# Altium PCB eyes_hvac_v1_pcb.PcbDoc
Units mm, origin at the board's own origin, x right, y up, seen from the top; angles counter-clockwise.
Board outline 90 x 90 mm, 2 copper layers (Top Layer, Bottom Layer); 23 components, 30 nets, 130 pads, 22 vias.
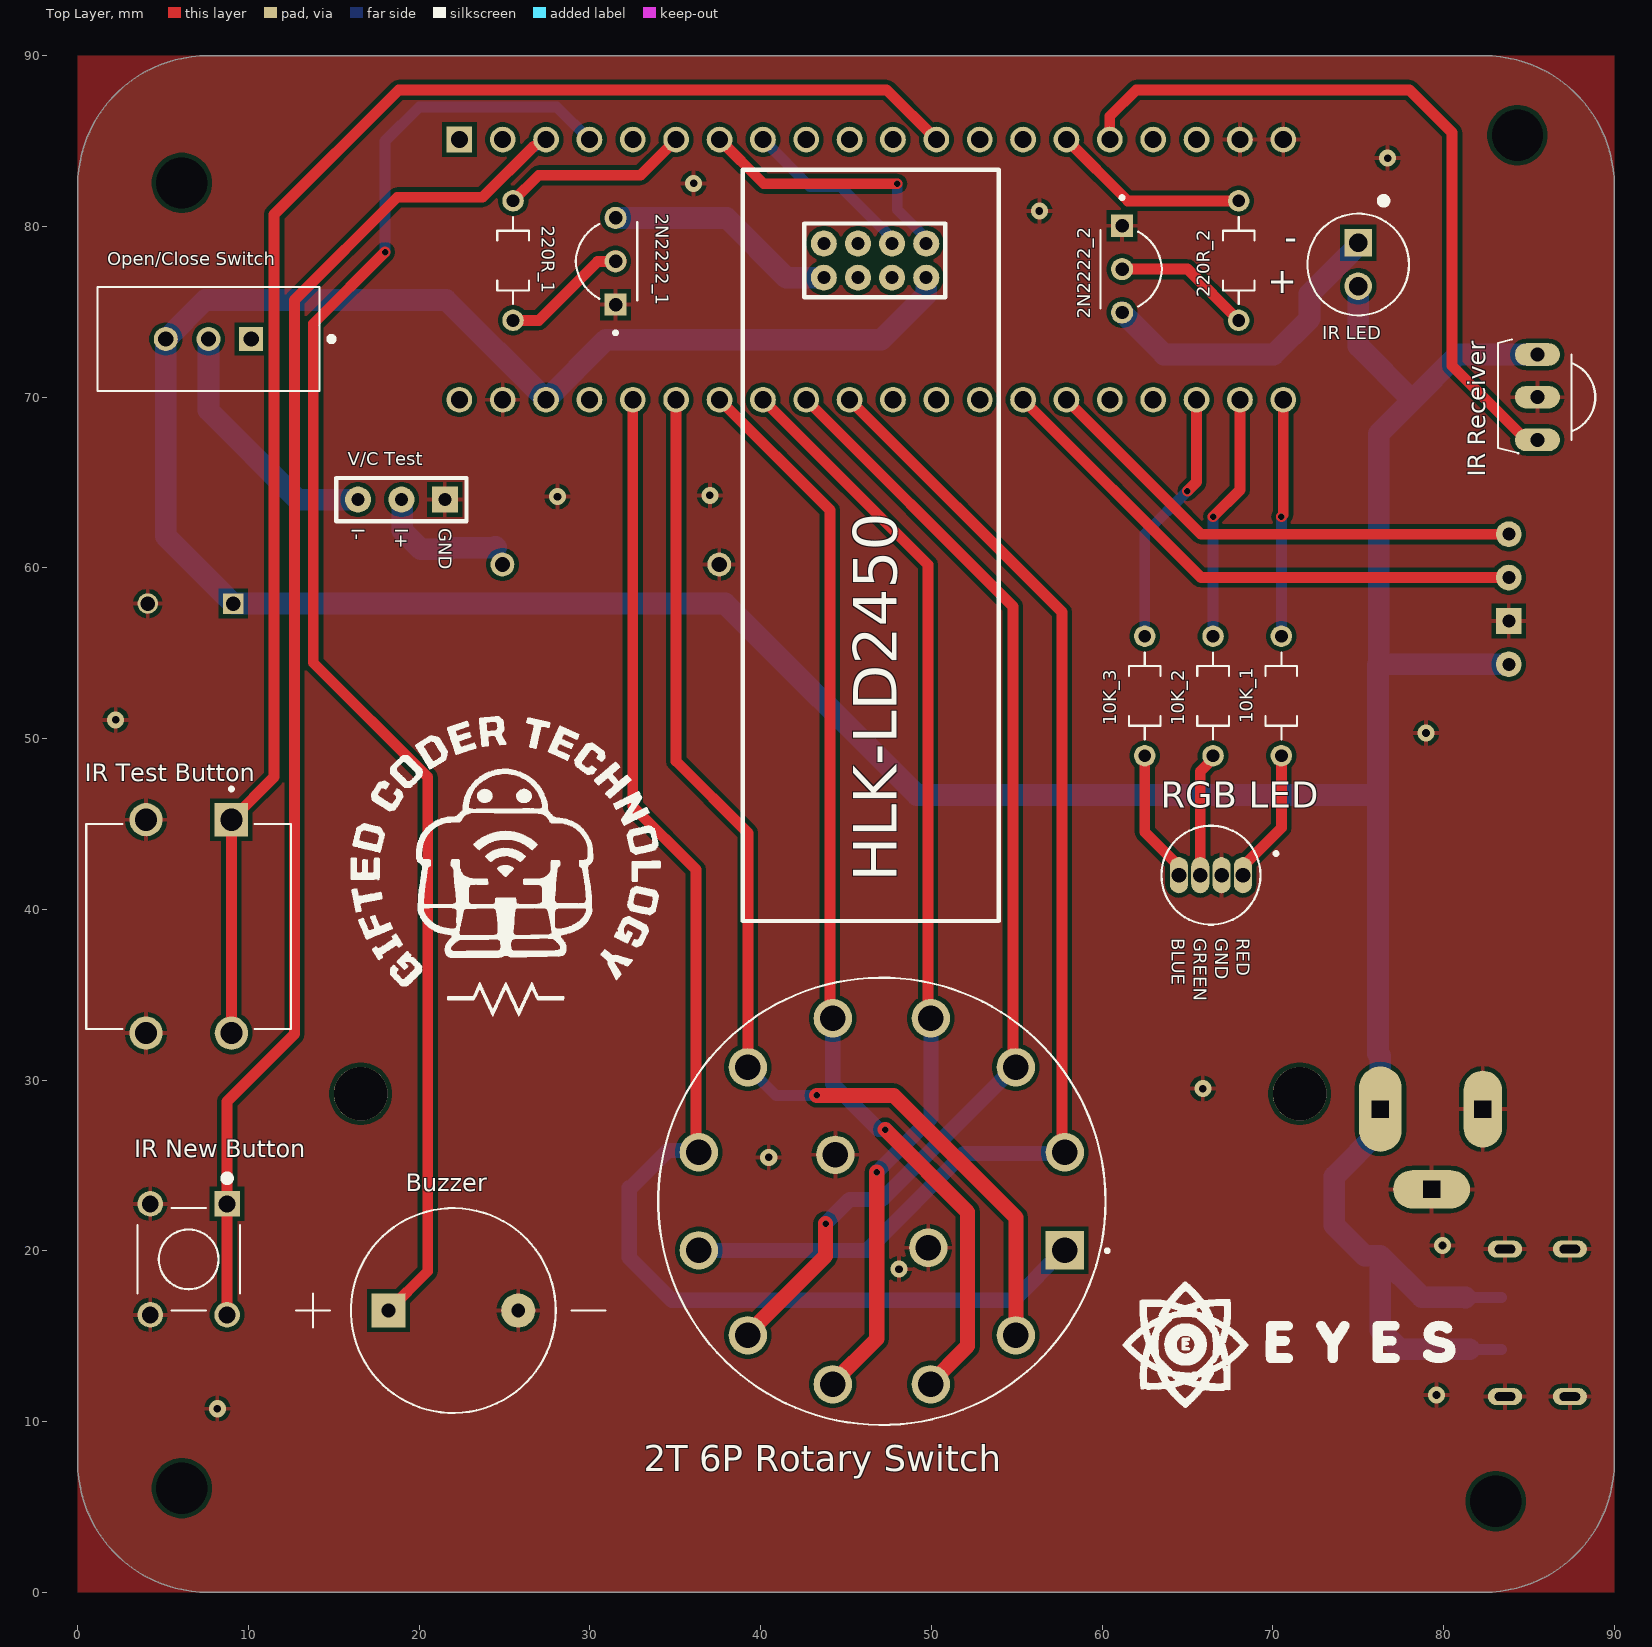
[diagram p0: Top Layer view]
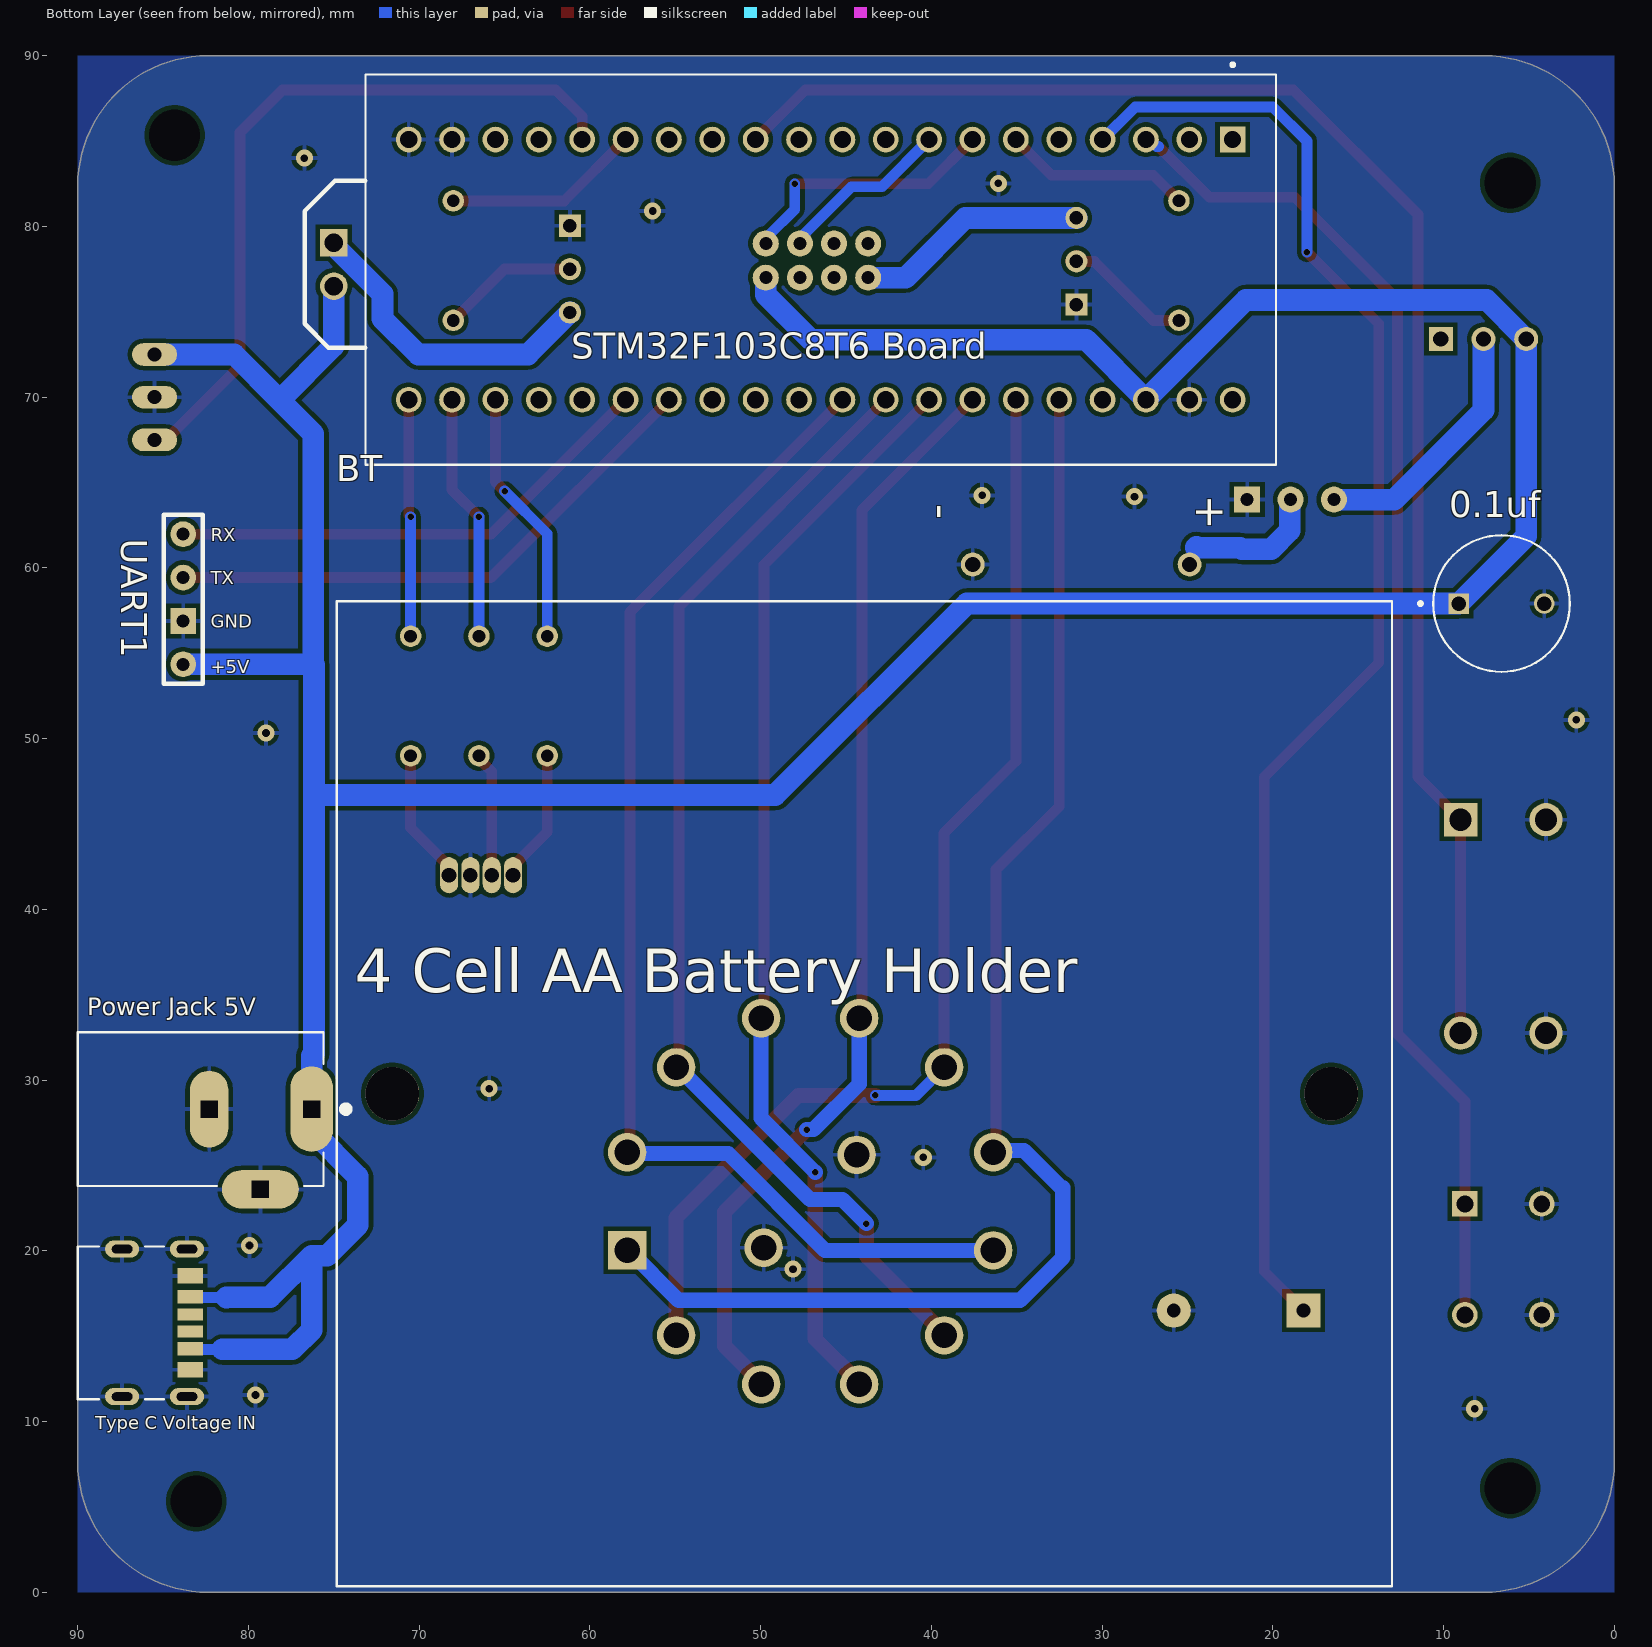
[diagram p1: Bottom Layer view, seen from below]

## Layer stack, top to bottom
Top Solder: solder mask 0.0102, Solder Resist, Dk 3.5
Top Layer: signal copper 0.0356
Dielectric 1: dielectric 0.32, FR-4, Dk 4.8
Bottom Layer: signal copper 0.0356
Bottom Solder: solder mask 0.0102, Solder Resist, Dk 3.5

## Board outline
0,7.62 0,82.38 cw(c7.62,82.38) 7.62,90 82.38,90 cw(c82.38,82.38) 90,82.38 90,7.62 cw(c82.38,7.62) 82.38,0 7.62,0 cw(c7.62,7.62)

## Design rules (kind name [scope] priority, off if disabled: settings)
Clearance Clearance_1 [All] p1: gap=0.254 ignorepadtopadclearanceinfootprint=FALSE except(0: Arc-Hole Track-Hole SMDPad-Hole THPad-Hole Via-Hole Fill-Hole Poly-Hole Region-Hole Text-Hole; 0.152: SMDPad-SMDPad THPad-THPad THPad-Via)
Clearance [All] p2: gap=0.254 ignorepadtopadclearanceinfootprint=TRUE
ComponentClearance [All] p1: gap=0.254 collisioncheckmode=3 verticalgap=2540 showdistances=TRUE
Height [All] p1: minheight=0 maxheight=101.6 prefheight=12.7
HoleSize [All] p1: absolutevalues=TRUE maxlimit=3.81 minlimit=0.025 maxpercent=80.000 minpercent=20.000
HoleToHoleClearance [All] p1: gap=0.152 allowstackedmicrovias=TRUE
MinimumSolderMaskSliver [All] p1: minsoldermaskwidth=0.003
PlaneClearance [All] p1: clearance=0.203
PlaneConnect [All] p1: planeconnectstyle=Relief reliefexpansion=0.508 reliefentries=4 reliefconductorwidth=0.381 reliefairgap=0.254
PolygonConnect [All] p1: connectstyle=Relief reliefconductorwidth=0.254 reliefentries=4 polygonreliefangle="90 Angle" airgapwidth=0.254
RoutingVias [All] p1: holewidth=0.45 width=1 viastyle="Through Hole" minholewidth=0.45 minwidth=1 maxholewidth=2.286 maxwidth=3.81
SilkToSilkClearance [All] p1: silktosilkclearance=0
SilkToSolderMaskClearance [IsPad] p1: minsilkscreentomaskgap=0.025 clearancetoexposedcopper=FALSE
SolderMaskExpansion [All] p1: expansion=0.127 istentingtop=FALSE
Width [All] p1: maxlimit=1.27 minlimit=0.254 preferedwidth=0.635 minimp=50.000000 maximp=50.000000 favimp=50.000000
21 further rules are at their usual default settings.

## Components (designator, comment, footprint, x,y, rotation, side; value= is the part's Value field where it differs from the comment)
0.1uf "0.1uf" "CAP 0.1UF" 6.604,57.912 r180 bottom
2N2222_1 "2N2222" 2N2222 29.17,77.96 r90 top
2N2222_2 "2N2222" 2N2222 63.5,77.5 r270 top
"2T 6P Rotary Switch" "2T 6P Rotary Switch" "2POL 6POS Rotary Switch" 47.1,22.9 r90 top
10K_1 "10K RES" RES 70.5,52.5 r270 top
10K_2 "10K RES" RES 66.5,52.5 r270 top
10K_3 "10K RES" RES 62.5,52.5 r270 top
220R_1 "220R RES" RES 25.5,78 r90 top
220R_2 "220R RES" RES 68,78 r90 top
BT "4 Cell AA Battery Holder" "4 CELL AA BATTERY HOLDER" 43.925,29.2 r90 bottom
Buzzer "Buzzer" Buzzer 22,16.5 r0 top
HLK-LD2450 "HLK-LD2450" HLK-LD2450 46.748,78.016 r0 top
"IR LED" "IR LED" "IR LED" 75,77.77 r270 top
"IR New Button" "IR New Button" "IR New Button" 6.5,19.5 r270 top
"IR Receiver" "IR Receiver" "IR Receiver" 85.473,70.001 r90 top
"IR Test Button" "IR Test Button" "IR Test Button" 6.5,39 r270 top
"Open/Close Switch" "Open/Close Switch" "Open/Close Switch" 7.66,73.406 r180 top
"Power Jack 5V" "Power Jack 5V" "Power Jack" 76.3,28.3 r0 bottom
"RGB LED" "RGB LED" "RGB LED" 66.375,42 r0 top
"STM32F103C8T6 Board" "STM32F103C8T6 Board" "STM32F103C8T6 Board" 46.482,77.47 r270 bottom
"Type C Voltage IN" "Type C Voltage IN" "TYPE C VOLTAGE IN" 83.6,15.78 r270 bottom
UART1 "UART Port" "UART PORT" 83.82,58.166 r90 bottom
"V/C Test" "V/C Test" "V/C TEST" 16.42,64 r0 top

## Footprints (in the part's own frame and the unit in brackets; to place one, negate y for a bottom-side part, rotate by r counter-clockwise, add the part's x,y. Pads: shape width x height; smd on the part's side, far side on the other; paste and mask are expansions set on the pad)
2N2222 [mm]
  round 1.298 hole 0.79: B(0,-2.33) C(2.54,-2.33)
  rect 1.298x1.298 / inner round 1.298 / far side rect 1.298x1.298 hole 0.79: E(-2.54,-2.33)
  silkscreen extent -4.29,-3.6 2.3,0, body extent -2.74,-3.87 2.74,0.62, height 7.76
"2POL 6POS Rotary Switch" [mm]
  rect 2.25x2.25 hole 1.5: 1(-2.873,-10.722)
  round 2.25 hole 1.5: 2(-7.849,-7.849) 3(-10.722,-2.873) 4(-10.722,2.873) 5(-7.849,7.849) 6(-2.873,10.722) 7(2.873,10.722) 8(7.849,7.849) 9(10.722,2.873) 10(10.722,-2.873) 11(7.849,-7.849) 12(2.873,-10.722) A(-2.722,-2.722) C(2.722,2.722)
  silkscreen extent -13.1,-13.3 13.1,13.1, body extent -13.03,-12.99 12.95,12.99, height 51.77
"4 CELL AA BATTERY HOLDER" [mm]
  round 1.398 hole 0.89: NEG(31,-6.35) POS(31,-19.05)
  round 3.15 hole 3.15 unplated: ""(0,-27.35) ""(0,27.65)
  silkscreen extent -28.85,-30.9 28.85,30.9, body extent -28.4,-30.52 28.4,30.78, height 15.5
Buzzer [mm]
  round 2 hole 0.8: N(3.8,0)
  rect 2x2 / inner round 2 / far side rect 2x2 hole 0.8: P(-3.8,0)
  silkscreen extent -9.22,-6 8.92,6, body extent -6,-6 6,6, height 9.5
"CAP 0.1UF" [mm]
  round 1.2 hole 0.85: N(2.5,0)
  rect 1.2x1.2 hole 0.85: P(-2.5,0)
  silkscreen extent -4.85,-4 4,4, body extent -4,-3.99 4,3.99, height 11.5
HLK-LD2450 [mil]
  round 60 hole 30: +3.3V(37.48,-40) +5V(116.22,-40) DM(-120,38.74) DP(-41.26,38.74) GND(-120,-40) PA9(-41.26,-40) RX(116.22,38.74) TX(37.48,38.74)
  silkscreen extent -307,-1524 283,209, body extent -301,-1520 289,213, height 341
"IR LED" [mm]
  round 1.61 hole 1.07: +(1.27,0)
  rect 1.61x1.61 hole 1.07: -(-1.27,0)
  silkscreen extent -3.93,-2.98 2.98,2.98, body extent -2.51,-2.95 2.92,2.95, height 9.6
"IR New Button" [mm]
  rect 1.498x1.498 / inner round 1.498 / far side rect 1.498x1.498 hole 0.99: 1(-3.25,2.25)
  round 1.498 hole 0.99: 2(-3.25,-2.25) 3(3.25,2.25) 4(3.25,-2.25)
  silkscreen extent -4.95,-3 3,3, body extent -3.95,-3 3.95,3, height 9.5
"IR Receiver" [mil]
  oval 52x104 hole 32: GND(-0.05,-1.05) OUT(-98.47,-1.05) VCC(98.38,-1.05)
  silkscreen extent -129,-134 133,90, body extent -118,-160 118,60, height 404
"IR Test Button" [mm]
  rect 1.95x1.95 / inner round 1.95 / far side rect 1.95x1.95 hole 1.3: 1(-6.25,2.5)
  round 1.95 hole 1.3: 2(6.25,2.5) 3(-6.25,-2.5) 4(6.25,-2.5)
  silkscreen extent -8.15,-6 6,6, body extent -7.05,-6 7.05,6, height 7.17
"Open/Close Switch" [mm]
  rect 1.408x1.408 / inner round 1.408 / far side rect 1.408x1.408 hole 0.9: 1(-2.5,0)
  round 1.408 hole 0.9: 2(0,0) 3(2.5,0)
  silkscreen extent -7.35,-3.05 6.5,3.05, body extent -6.5,-3.05 6.5,3.05, height 8.89
"Power Jack" [mm]
  oval 2.5x5 hole 1 square: 1(0,0)
  oval 2.25x4.5 hole 1 square: 2(6,0)
  oval 4.5x2.25 hole 1 square: 3(3,4.7)
  silkscreen extent -2.2,-4.5 13.7,4.5, body extent -0.7,-4.5 13.7,4.9, height 11
RES [mm]
  round 1.258 hole 0.75: 1(-3.5,0) 2(3.5,0)
  silkscreen extent -2.55,-0.92 2.55,0.92, body extent -3.72,-0.92 3.72,0.92, height 1.85
"RGB LED" [mm]
  oval 1.06x2.12 hole 0.86: BLUE(-1.875,0) GND(0.625,0) GREEN(-0.625,0) RED(1.875,0)
  silkscreen extent -2.9,-2.9 3.91,2.9, body extent -2.9,-2.9 2.5,2.9, height 8.7
"STM32F103C8T6 Board" [mm]
  rect 1.508x1.508 hole 1: 1(-7.62,24.13)
  round 1.508 hole 1: 2(-7.62,21.59) 3(-7.62,19.05) 4(-7.62,16.51) 5(-7.62,13.97) 6(-7.62,11.43) 7(-7.62,8.89) 8(-7.62,6.35) 9(-7.62,3.81) 10(-7.62,1.27) 11(-7.62,-1.27) 12(-7.62,-3.81) 13(-7.62,-6.35) 14(-7.62,-8.89) 15(-7.62,-11.43) 16(-7.62,-13.97) 17(-7.62,-16.51) 18(-7.62,-19.05) 19(-7.62,-21.59) 20(-7.62,-24.13) 21(7.62,-24.13) 22(7.62,-21.59) 23(7.62,-19.05) 24(7.62,-16.51) 25(7.62,-13.97) 26(7.62,-11.43) 27(7.62,-8.89) 28(7.62,-6.35) 29(7.62,-3.81) 30(7.62,-1.27) 31(7.62,1.27) 32(7.62,3.81) 33(7.62,6.35) 34(7.62,8.89) 35(7.62,11.43) 36(7.62,13.97) 37(7.62,16.51) 38(7.62,19.05) 39(7.62,21.59) 40(7.62,24.13)
  silkscreen extent -12.1,-30.23 11.43,26.67, body extent -11.44,-27.56 11.56,30.24, height 15.45
"TYPE C VOLTAGE IN" [mm]
  rect 0.7x1.5 smd: A5(-0.5,0.18) B5(0.5,0.18)
  rect 0.8x1.5 smd: A9(1.52,0.18) B9(-1.52,0.18)
  rect 0.9x1.5 smd: A12(2.75,0.18) B12(-2.75,0.18)
  oval 1x2 hole 0.5 slot 1.2 at 90 deg: S1(-4.32,0) S2(4.32,0) S3(-4.32,-3.8) S4(4.32,-3.8)
  silkscreen extent -4.47,-6.4 4.47,-1.35, body extent -4.47,-6.4 4.47,0.5, height 3.26
"UART PORT" [mil]
  rect 59.37x59.37 hole 30: GND(-50,0)
  round 59.37 hole 30: RX(50,0) TX(150,0) VCC(-150,0)
  silkscreen extent -195,-45 195,45, body extent -200,-50 200,48, height 330
"V/C TEST" [mil]
  rect 60x60 hole 30: GND(200,0)
  round 60 hole 30: VCC(100,0) VCC_2(0,0)
  silkscreen extent -50,-50 250,50

## Part data
0.1uf: "CAP ALUM 33UF 20% 100V THRU HOLE", Package="RADIAL-2 Panasonic", Availability="In Stock", Check_prices=https://www.snapeda.com/parts/EEUFS2A330B/Panasonic/view-part/5795625/?ref=eda, MF=Panasonic, MP=EEUFS2A330B, Price=None, SnapEDA_Link=https://www.snapeda.com/parts/EEUFS2A330B/Panasonic/view-part/5795625/?ref=snap
2N2222_1 2N2222_2: "Bipolar (BJT) Transistor NPN 40 V 600 mA 250MHz 625 mW Through Hole TO-92", Package="TO-92-3 Diotec", Availability="In Stock", Check_prices=https://www.snapeda.com/parts/2N2222A/Diotec/view-part/?ref=eda, MF="Diotec Semiconductor", MP=2N2222A, Price=None, Purchase-URL=https://pricing.snapeda.com/search/part/2N2222A/?ref=eda, SnapEDA_Link=https://www.snapeda.com/parts/2N2222A/Diotec/view-part/?ref=snap
"2T 6P Rotary Switch": Package=None, Availability=Unavailable, MP=KC26A30.001NPS, Price=None
10K_1 10K_2 10K_3 220R_1 220R_2: "220 Ohms Â±5% 0.25W, 1/4W Through Hole Resistor Axial - Carbon Film", Package=None, Availability="In Stock", Check_prices=https://www.snapeda.com/parts/3-1623927-1/TE+Connectivity/view-part/?ref=eda, MF="TE Connectivity", MP=3-1623927-1, Price=None, SnapEDA_Link=https://www.snapeda.com/parts/3-1623927-1/TE+Connectivity/view-part/?ref=snap
BT: "BATTERY HOLDER AA 4 CELL SMD TAB", Package=None, Availability=Warning, DigiKey-Purchase-URL=https://snapeda.com/shop?store=DigiKey&id=4389075, MF=MPD, MP=BC4AAB, Price=None, SnapEDA_Link=https://www.snapeda.com/parts/BC4AAB/MPD/view-part/4389075/?ref=snap
Buzzer: "12 mm, 12 Vdc, 85 dB, Through Hole, Driving Circuit, Magnetic Audio Indicator Buzzer", Package="CUI Inc.", Check_prices=https://www.snapeda.com/parts/CMI-1295-1285T/CUI+Devices/view-part/?ref=eda, CUI_purchase_URL=https://www.cuidevices.com/product/audio/buzzers/audio-indicators/cmi-1295-1285t?utm_source=snapeda.com&utm_medium=referral&utm_campaign=snapedaBOM, Digi-Key_Part_Number=102-CMI-1295-1285T-ND, MF="CUI Devices", MP=CMI-1295-1285T, Purchase-URL=https://pricing.snapeda.com/search/part/CMI-1295-1285T/?ref=eda, SnapEDA_Link=https://www.snapeda.com/parts/CMI-1295-1285T/CUI+Devices/view-part/?ref=snap
"IR LED": "Infrared _IR_ Emitter 940nm 1.35V 100mA 40mW/sr @ 100mA 34Â° Radial, 5mm Dia _T 1 3/4_", Package="Radial Vishay", Availability=Unavailable, MF=Vishay, MP=TSAL6200, Price=None, SnapEDA_Link=https://www.snapeda.com/parts/TSAL6200/Vishay%20Semiconductor%20Opto%20Division/view-part/1186623/?ref=snap
"IR New Button": "Tactile Switch SPST-NO Top Actuated Through Hole", Package=None, Availability="In Stock", Check_prices=https://www.snapeda.com/parts/FSM8JH/TE+Connectivity+ALCOSWITCH+Switches/view-part/?ref=eda, MF="TE Connectivity", MP=FSM8JH, Price=None, SnapEDA_Link=https://www.snapeda.com/parts/FSM8JH/TE+Connectivity+ALCOSWITCH+Switches/view-part/?ref=snap
"IR Receiver": "IR Receiver and Demodulator", Package=None, Availability=Unavailable, MP=TSOP1838, Price=None
"IR Test Button": "Switch Tactile OFF (ON) SPST Extended Square Button PC Pins 0.05A 12VDC 2.55N Thru-Hole Loose Piece", Package=None, Availability="In Stock", Check_prices=https://www.snapeda.com/parts/1571627-1/TE+Connectivity+%252F+AMP/view-part/?ref=eda, EU_RoHS_Compliance=Compliant, MF="TE Connectivity / AMP", MP=1571627-1, Price=None, SnapEDA_Link=https://www.snapeda.com/parts/1571627-1/TE+Connectivity+%252F+AMP/view-part/?ref=snap
"Open/Close Switch": "Slide Switch SPDT Through Hole", Contact_Current_Rating=".25 A", Package=None, Availability="In Stock", Check_prices=https://www.snapeda.com/parts/1825159-1/TE+Connectivity+ALCOSWITCH+Switches/view-part/?ref=eda, Configuration_Pole-Throw="Single Pole - Double Throw", EU_RoHS_Compliance=Compliant, MF="TE Connectivity", MP=1825159-1, Price=None, Purchase-URL=https://pricing.snapeda.com/search/part/1825159-1/?ref=eda, SnapEDA_Link=https://www.snapeda.com/parts/1825159-1/TE+Connectivity+ALCOSWITCH+Switches/view-part/?ref=snap, Switch_Type=Slide
"Power Jack 5V": library part "Power Jack", "2.0 x 6.5 mm, 2.5 A, Horizontal, Through Hole, Dc Power Jack Connector", Package=None, Availability="In Stock", Check_prices=https://www.snapeda.com/parts/PJ-002A/CUI+Devices/view-part/?ref=eda, CUI_purchase_URL=https://www.cuidevices.com/product/interconnect/connectors/dc-power-connectors/jacks/pj-002a?utm_source=snapeda.com&utm_medium=referral&utm_campaign=snapedaBOM, MF="CUI Devices", MP=PJ-002A, Price=None, Purchase-URL=https://pricing.snapeda.com/search/part/PJ-002A/?ref=eda, SnapEDA_Link=https://www.snapeda.com/parts/PJ-002A/CUI+Devices/view-part/?ref=snap
"RGB LED": "Red, Green, Blue (RGB) - LED Indication - Discrete 2.1V Red, 3.2V Green, 3.2V Blue Radial", Package="Radial NTE Electronics", Availability="In Stock", Check_prices=https://www.snapeda.com/parts/NTE30155/NTE+Electronics/view-part/?ref=eda, MF="NTE Electronics, Inc", MP=NTE30155, Price=None, Purchase-URL=https://pricing.snapeda.com/search/part/NTE30155/?ref=eda, SnapEDA_Link=https://www.snapeda.com/parts/NTE30155/NTE+Electronics/view-part/?ref=snap
"STM32F103C8T6 Board": "STM32F103C8T6 ARM STM32 Minimum System Development Board Module For Arduino", Package=None, Availability=Unavailable, MP=ZC323000, Price=None
"Type C Voltage IN": "Type C, 3 A, Right Angle, Surface Mount (SMT), Power-Only USB Receptacle", Package=None, Availability=Unavailable, MP=UJC-HP-3-SMT-TR, Price=None

## Free pads (board coordinates)
  round 1.524 hole 3: 3(6.096,6.096) 3(6.096,82.55) 3(83.058,5.334) 3(84.328,85.344)

## Via types
v1: diameter 1, hole 0.45, Top Layer to Bottom Layer, 13 vias
v2: diameter 0.381, hole 0.381, Top Layer to Bottom Layer, 9 vias

## Nets (pads, with @x,y where several pads share a name; then routed paths per layer and width w, separated by ;. In a path a pad name is that pad's centre, name@x,y a point inside that pad or via, vN(x,y) a via of type N, cw(c..) or ccw(c..) an arc to the next point about the centre after c; other vN are vias at no path point)
+5: 0.1uf.P "IR LED.+" "IR Receiver.VCC" "Open/Close Switch.3" "Power Jack 5V.1" "STM32F103C8T6 Board.38" "Type C Voltage IN.A9" "Type C Voltage IN.B9" HLK-LD2450.+5V UART1.VCC | length 238.1
  Top Layer w1.27: 5.16,73.406 5.197,73.406
  Bottom Layer w0.635: 81.286,17.266 83.396,17.266 ; 81.524,14.226 83.396,14.226
  Bottom Layer w1.27: 5.16,73.406 5.16,61.856 0.1uf.P 37.924,57.912 49.136,46.7 76.157,46.7 ; 5.197,73.406 7.483,75.692 21.59,75.692 27.432,69.85 30.938,73.356 47.056,73.356 49.7,76 HLK-LD2450.+5V ; 75,76.5 75,73 78.17,69.83 ; 76.157,54.313 76.157,46.7 ; 76.296,28.3 76.296,31.413 76.157,31.552 76.157,46.7 ; 76.3,28.3 76.3,27.05 73.6,24.35 73.6,21.5 75.384,19.716 76.296,19.716 ; 81.286,17.266 81.28,17.272 78.74,17.272 76.296,19.716 ; 81.524,14.226 77.426,14.226 76.296,15.356 76.296,19.716 ; UART1.VCC 76.2,54.356 76.2,67.86 78.17,69.83 ; 85.5,72.5 80.84,72.5 78.17,69.83
"Button OUT": "IR New Button.1" "IR New Button.3" "STM32F103C8T6 Board.3" | length 79.7
  Top Layer w0.635: 8.75,16.25 8.75,22.75 8.75,28.75 12.7,32.7 12.7,75.7 18.711,81.711 23.711,81.711 26.689,84.689
  Bottom Layer w0.635: 26.689,84.689 26.795,84.689 27.196,85.09 27.432,85.09
"Buzzer IN": "STM32F103C8T6 Board.4" Buzzer.P | length 87.6
  Top Layer w0.635: v2(18,78.5) 13.8,74.3 13.8,54.45 20.5,47.75 20.5,18.8 Buzzer.P
  Bottom Layer w0.635: v2(18,78.5) 18,85 20,87 28.062,87 29.972,85.09
GND: 0.1uf.N 2N2222_1.E 2N2222_2.E "2T 6P Rotary Switch.A" "2T 6P Rotary Switch.C" "IR New Button.2" "IR New Button.4" "IR Receiver.GND" "IR Test Button.3" "IR Test Button.4" "Power Jack 5V.2" "Power Jack 5V.3" "RGB LED.GND" "STM32F103C8T6 Board.19" "STM32F103C8T6 Board.20" "STM32F103C8T6 Board.39" "Type C Voltage IN.A12" "Type C Voltage IN.B12" "Type C Voltage IN.S1" "Type C Voltage IN.S2" "Type C Voltage IN.S3" "Type C Voltage IN.S4" "V/C Test.GND" BT.NEG Buzzer.N UART1.GND
  other v1: 8.175,10.75 79.589,11.554 48.1,18.925 79.936,20.308 40.475,25.475 65.9,29.5 78.975,50.325 2.225,51.1 28.1,64.175 37.025,64.25 56.325,80.9 36.075,82.525 76.725,84
HLK-LD2450_RX: "STM32F103C8T6 Board.7" HLK-LD2450.RX | length 15.2
  Top Layer w0.635: 37.592,85.09 40.182,82.5 v2(48,82.5)
  Bottom Layer w0.635: v2(48,82.5) 48,81 HLK-LD2450.RX@49.55,79.45
HLK-LD2450_TX: "STM32F103C8T6 Board.8" HLK-LD2450.TX | length 9.8
  Bottom Layer w0.635: 40.132,85.09 42.894,82.328 44.672,82.328 HLK-LD2450.TX@47.55,79.45
HLK-POW-IN: 220R_1.2 "STM32F103C8T6 Board.6" | length 11
  Top Layer w0.635: 220R_1.2 27,83 32.962,83 35.052,85.09
"IR LED IN": 220R_2.2 "STM32F103C8T6 Board.15" | length 11.6
  Top Layer w0.635: 57.912,85.09 61.502,81.5 220R_2.2
"IR Receiver OUT": "IR Receiver.OUT" "STM32F103C8T6 Board.16" | length 43.5
  Top Layer w0.635: 60.452,85.09 60.452,86.452 62,88 78,88 80.5,85.5 80.5,71.84 84.84,67.5
  Bottom Layer w0.635: 84.84,67.5 85.5,67.5
"IR Test Button OUT": "IR Test Button.1" "IR Test Button.2" "STM32F103C8T6 Board.12" | length 92
  Top Layer w0.635: 9,32.75 9,45.25 11.5,47.75 11.5,80.7 18.8,88 47.382,88 50.292,85.09
Net2N2222_1_B: 2N2222_1.B 220R_1.1 | length 7.4
  Top Layer w0.635: 220R_1.1 27,74.5 30.455,77.955 2N2222_1.B@31.495,77.955
  Top Layer w1.27: 2N2222_1.B@31.495,77.955 2N2222_1.B
Net2N2222_1_C: 2N2222_1.C HLK-LD2450.GND | length 13.6
  Bottom Layer w1.27: 2N2222_1.C 38,80.5 41.5,77 HLK-LD2450.GND
Net2N2222_2_B: 2N2222_2.B 220R_2.1 | length 8.1
  Top Layer w0.635: 2N2222_2.B 65,77.5 220R_2.1
Net2N2222_2_C: 2N2222_2.C "IR LED.-" | length 18.5
  Bottom Layer w1.27: 2N2222_2.C 63.63,72.5 70.05,72.5 72.15,74.6 72.15,76.046 74.83,78.726 74.83,78.87 75,79.04
Net10K_1_2: 10K_1.2 "RGB LED.RED" | length 7.9
  Top Layer w0.635: 68.25,42 68.25,42.53 70.5,44.78 10K_1.2
Net10K_2_2: 10K_2.2 "RGB LED.GREEN" | length 7.3
  Top Layer w0.635: 65.75,42 65.75,48.081 66.5,48.831 10K_2.2
Net10K_3_2: 10K_3.2 "RGB LED.BLUE" | length 7.8
  Top Layer w0.635: 10K_3.2 62.5,44.53 64.5,42.53 64.5,42
"RGB BLUE": 10K_3.1 "STM32F103C8T6 Board.23" | length 15.1
  Top Layer w0.635: v2(65,64.5) 65.532,65.032 65.532,69.85
  Bottom Layer w0.635: 10K_3.1 62.5,62 v2(65,64.5)
"RGB GREEN": 10K_2.1 "STM32F103C8T6 Board.22" | length 14.5
  Top Layer w0.635: v2(66.5,63) 68.072,64.572 68.072,69.85
  Bottom Layer w0.635: 10K_2.1 v2(66.5,63)
"RGB RED": 10K_1.1 "STM32F103C8T6 Board.21" | length 14.1
  Top Layer w0.635: v2(70.5,63) 70.612,63.112 70.612,69.85
  Bottom Layer w0.635: 10K_1.1 v2(70.5,63) ; 70.5,69.738 70.612,69.85
"SW1 OUT": "2T 6P Rotary Switch.6" "2T 6P Rotary Switch.12" "STM32F103C8T6 Board.31" | length 73.1
  Top Layer w0.635: 45.212,69.85 57.649,57.413 57.649,25.695
  Bottom Layer w0.889: 36.378,20.027 46.227,20.027 51.895,25.695 57.822,25.695
"SW2 OUT": "2T 6P Rotary Switch.5" "2T 6P Rotary Switch.11" "STM32F103C8T6 Board.32" | length 67.6
  Top Layer w0.635: 42.672,69.85 54.776,57.746 54.776,30.571
  Top Layer w0.889: 39.204,15.098 43.8,19.695 v2(43.8,21.6)
  Bottom Layer w0.889: v2(43.8,21.6) 45.2,23 47.105,23 54.902,30.796
"SW3 OUT": "2T 6P Rotary Switch.4" "2T 6P Rotary Switch.10" "STM32F103C8T6 Board.33" | length 64.2
  Top Layer w0.635: 40.132,69.85 49.8,60.182 49.8,33.444
  Top Layer w0.889: 44.18,12.226 46.8,14.846 v2(46.8,24.6)
  Bottom Layer w0.889: v2(46.8,24.6) 49.973,27.773 49.973,33.622
"SW4 OUT": "2T 6P Rotary Switch.3" "2T 6P Rotary Switch.9" "STM32F103C8T6 Board.34" | length 65.1
  Top Layer w0.635: 37.592,69.85 44.054,63.388 44.054,33.444
  Top Layer w0.889: v2(47.3,27.1) 52.125,22.275 52.125,14.425 49.8,12.1
  Bottom Layer w0.889: 44.227,33.622 44.227,29.773 46.9,27.1 v2(47.3,27.1)
"SW5 OUT": "2T 6P Rotary Switch.2" "2T 6P Rotary Switch.8" "STM32F103C8T6 Board.35" | length 67.1
  Top Layer w0.635: 35.052,69.85 35.052,48.674 39.251,44.475 39.251,30.749
  Top Layer w0.889: v2(43.284,29.1) 47.8,29.1 54.949,21.951 54.949,15.051
  Bottom Layer w0.635: 39.251,30.749 40.9,29.1 v2(43.284,29.1)
"SW6 OUT": "2T 6P Rotary Switch.1" "2T 6P Rotary Switch.7" "STM32F103C8T6 Board.36" | length 82.6
  Top Layer w0.635: 32.512,69.85 32.512,46.019 36.205,42.326 36.205,25.595
  Bottom Layer w0.889: 32.3,19.6 34.8,17.1 54.8,17.1 57.774,20.074 ; 32.3,19.7 32.3,23.6 ; 32.3,23.7 32.3,23.6 ; 36.378,25.773 36.275,25.876 34.576,25.876 32.3,23.6
"UART1 RX": "STM32F103C8T6 Board.27" UART1.RX | length 32.8
  Top Layer w0.635: 55.372,69.85 65.786,59.436 UART1.RX
"UART1 TX": "STM32F103C8T6 Board.26" UART1.TX | length 29.2
  Top Layer w0.635: 57.912,69.85 65.786,61.976 UART1.TX
VCC: "V/C Test.VCC" BT.POS | length 7.8
  Bottom Layer w1.27: 18.96,64 19.009,63.951 19.009,62.191 20.1,61.1 21.825,61.1 21.901,61.176 24.476,61.176 24.5,61.2 24.476,61.224
VCC_2: "Open/Close Switch.2" "V/C Test.VCC_2" | length 15.1
  Bottom Layer w1.27: 7.66,73.406 7.66,69.24 12.9,64 16.42,64
pads on no net: "Open/Close Switch.1" "STM32F103C8T6 Board.1" "STM32F103C8T6 Board.2" "STM32F103C8T6 Board.5" "STM32F103C8T6 Board.9" "STM32F103C8T6 Board.10" "STM32F103C8T6 Board.11" "STM32F103C8T6 Board.13" "STM32F103C8T6 Board.14" "STM32F103C8T6 Board.17" "STM32F103C8T6 Board.18" "STM32F103C8T6 Board.24" "STM32F103C8T6 Board.25" "STM32F103C8T6 Board.28" "STM32F103C8T6 Board.29" "STM32F103C8T6 Board.30" "STM32F103C8T6 Board.37" "STM32F103C8T6 Board.40" "Type C Voltage IN.A5" "Type C Voltage IN.B5" BT. HLK-LD2450.+3.3V HLK-LD2450.DM HLK-LD2450.DP HLK-LD2450.PA9

## Polygon pours and split planes (outlines as drawn)
GND on Top Layer "NONET_L-01_P-001" (solid, pour order 1): 0,0 90,0 90,90 0,90
GND on Bottom Layer "NONET_L-01_P-001" (solid, pour order 2): 0,90 90,90 90,0 0,0

## Silkscreen, mask and mechanical layers (free items; w line width, h text height)
Top Overlay:
  drawing of 35 lines, arcs and shapes, not listed
Mechanical 1:
  lines w0.254: 0,7.52 ccw(c7.62,7.52) 7.62,-0.1 82.38,-0.1 ccw(c82.38,7.52) 90,7.52 90,82.28 ccw(c82.38,82.28) 82.38,89.9 7.62,89.9 ccw(c7.62,82.28) 0,82.28 0,7.52

## Text inside footprints (layer, text, board x,y; h text height)
BT: Bottom Overlay "+" at 22.935,62.225 h1.78 r270; Bottom Overlay "-" at 38.88,62.86 h1.78 r270; Mechanical 13 "-" at 38.88,62.86 h1.78 r270; Mechanical 13 "+" at 22.935,62.225 h1.78 r270
"IR LED": Top Overlay "+" at 71.419,77.364 h1.52 r180; Top Overlay "-" at 71.419,79.776 h1.52 r180
"RGB LED": Top Overlay "BLUE" at 64.089,38.317 h0.76 r270; Top Overlay "GREEN" at 65.359,38.317 h0.76 r270; Top Overlay "GND" at 66.629,38.317 h0.76 r270; Top Overlay "RED" at 67.899,38.317 h0.76 r270
UART1: Bottom Overlay "+5V" at 82.195,53.823 h0.76; Bottom Overlay "TX" at 82.195,59.029 h0.76; Bottom Overlay "RX" at 82.195,61.569 h0.76; Bottom Overlay "GND" at 82.195,56.49 h0.76
"V/C Test": Top Overlay "GND" at 21.144,62.324 h0.76 r270; Top Overlay "I+" at 18.604,62.324 h0.76 r270; Top Overlay "I-" at 16.064,62.324 h0.76 r270